# Altium PCB TinyHawk_PCB.PcbDoc (part 6 of 6)
Units mil, origin at the board's own origin, x right, y up, seen from the top; angles counter-clockwise.
Board outline 3399.79 x 3628.14 mil, 6 copper layers (Top Layer, Ground, Signal Layer 2, Signal Layer 1, Power, Bottom Layer), stack 58.153 mil thick; 370 components, 355 nets, 1615 pads, 674 vias.
Unrouted connection lines stored in the file: 1.
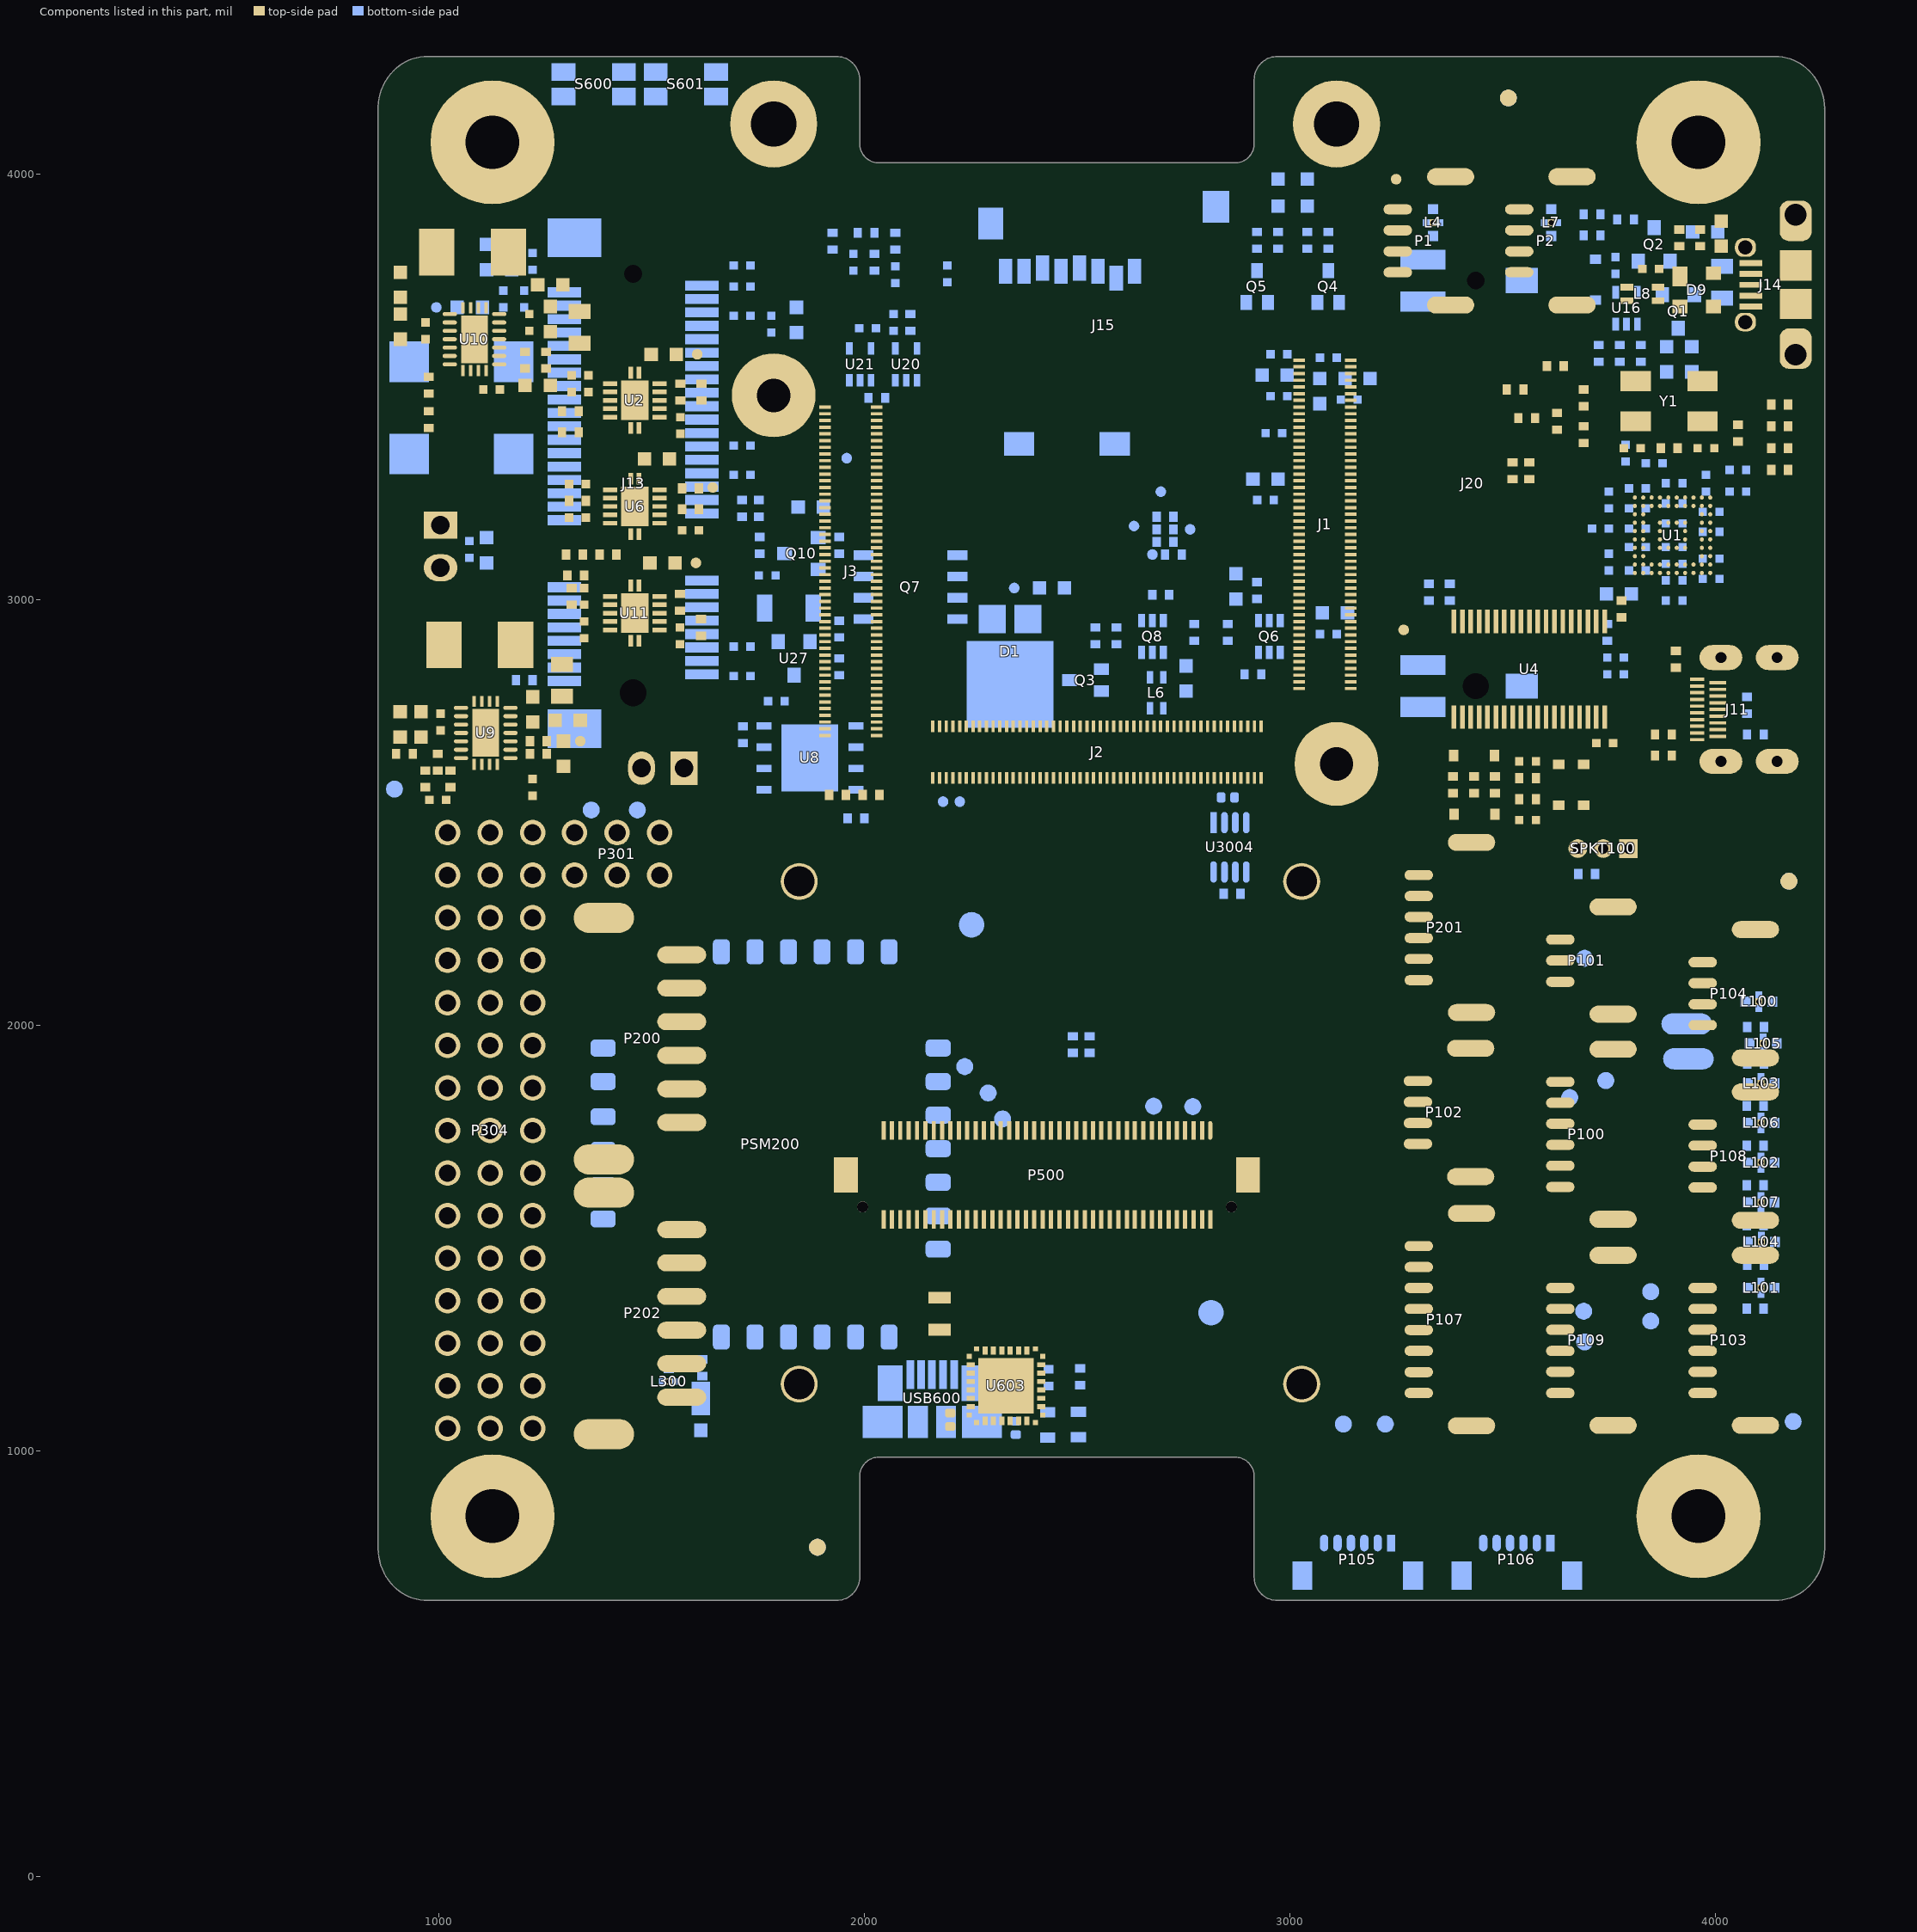
[diagram p10: the components of this part, seen from the top]

## Silkscreen, mask and mechanical layers (free items; w line width, h text height)
Top Overlay:
  lines w3.94: 3194.88,1157 3194.88,2338
  lines w10: 1679.13,1138 1679.13,2358 ; 3515.75,1046.06 3517.72,1046.06
  text "rx" at 1489,2485 h19.68
  text "s" at 1047.24,2484.25 h19.68
  text "+" at 1149.61,2484.25 h19.68
  text "tx" at 1292,2482 h19.68
  text "+ - s" at 3669.29,2472.44 h27.56
  text "-" at 1604,2442 h27.56
  text "-" at 1267.72,2440.94 h27.56
  text "USB" at 3287.4,2377.95 h27.56 r90
  text "Spkt" at 3598.43,2350.39 h27.56 r90
  text "s" at 1293,2340 h27.56
  text "+" at 3236.22,2338.58 h27.56
  text "-" at 1605,2337 h27.56
  text "-" at 1263.78,2334.65 h27.56
  text "S.Bus out" at 1342.52,2291.34 h27.56
  text "P" at 3240.16,2287.4 h27.56
  text "M" at 3240.16,2240.16 h27.56
  text "-" at 1263.78,2234.65 h27.56
  text "ASI" at 3618.62,2229.02 h27.56 r90
  text "1" at 1598.43,2224.41 h27.56
  text "-" at 3236.22,2192.91 h27.56
  text "+" at 3566.93,2188.98 h27.56
  text "CAN" at 3954.72,2173.19 h27.56 r90
  text "Bz" at 3208.66,2149.61 h27.56
  text "+" at 3895.67,2140.59 h27.56
  text "ADC" at 3531.5,2139.22 h27.56
  text "-" at 1263.78,2134.65 h27.56
  text "-" at 1598.43,2114.17 h27.56
  text "-" at 3561.02,2089.85 h27.56
  text "H 2" at 3866.14,2083.66 h27.56
  text "Led" at 3216.54,2055.12 h27.56
  text "L 2" at 3866.14,2036.42 h27.56
  text "-" at 1263.78,2034.65 h27.56
  text "V" at 1641.73,1996.06 h27.56
  text "-" at 3895.67,1987.05 h27.56
  text "-" at 1263.78,1934.65 h27.56
  text "I" at 1641.73,1917.32 h27.56
  text "I2C2" at 3291.34,1901.57 h27.56 r90
  text "Telem 1" at 3598.43,1877.95 h27.56 r90
  text "+" at 3228.35,1866.14 h27.56
  text "+" at 3535.43,1866.14 h27.56
  text "-" at 1263.78,1834.65 h27.56
  text "TX" at 3527.56,1814.96 h27.56
  text "SCL" at 3206.69,1811.02 h27.56
  text "+" at 1598.43,1803.15 h27.56
  text "CAN" at 3954.72,1798.19 h27.56 r90
  text "RX" at 3527.56,1767.72 h27.56
  text "+" at 3895.67,1765.59 h27.56
  text "SDA" at 3206.69,1759.84 h27.56
  text "-" at 1263.78,1734.65 h27.56
  text "CTS" at 3527.56,1720.47 h27.56
  text "-" at 3228.35,1712.6 h27.56
  text "H 1" at 3866.14,1708.66 h27.56
  text "RTS" at 3531.5,1669.29 h27.56
  text "L 1" at 3866.14,1661.42 h27.56
  text "-" at 1263.78,1634.65 h27.56
  text "-" at 3539.37,1618.11 h27.56
  text "-" at 3895.67,1612.05 h27.56
  text "2" at 1598.43,1578.74 h27.56
  text "-" at 1263.78,1534.65 h27.56
  text "GPS 1" at 3285.95,1510.83 h27.56 r90
  text "Type-A Connector" at 2035.43,1476.38 h27.56
  text "+" at 3224.41,1472.44 h27.56
  text "-" at 1598.43,1468.5 h27.56
  text "-" at 1263.78,1434.65 h27.56
  text "TX" at 3194.88,1421.26 h27.56
  text "GPS 2" at 3620.08,1407.8 h27.56 r90
  text "Telem 2" at 3948.82,1397.64 h27.56 r90
  text "+" at 3870.08,1370.73 h27.56
  text "RX" at 3194.8,1366.14 h27.56
  text "+" at 3547.24,1362.2 h27.56
  text "V" at 1641.73,1350.39 h27.56
  text "-" at 1263.78,1334.65 h27.56
  text "TX" at 3862.2,1319.55 h27.56
  text "TX" at 3529.53,1318.9 h27.56
  text "SCL" at 3194.88,1314.96 h27.56
  text "I" at 1641.73,1271.65 h27.56
  text "RX" at 3533.39,1271.65 h27.56
  text "RX" at 3862.2,1272.31 h27.56
  text "SDA" at 3194.88,1267.72 h27.56
  text "-" at 1263.78,1234.65 h27.56
  text "CTS" at 3862.2,1225.06 h27.56
  text "SFT" at 3194.88,1220.47 h27.56
  text "SCL" at 3533.46,1220.47 h27.56
  text "RTS" at 3866.14,1173.88 h27.56
  text "LED" at 3194.88,1173.23 h27.56
  text "SDA" at 3533.46,1169.29 h27.56
  text "+" at 1598.43,1157.48 h27.56
  text "-" at 1263.78,1134.65 h27.56
  text "-" at 3874.02,1122.7 h27.56
  text "-" at 3228.35,1122.05 h27.56
  text "-" at 3551.18,1114.17 h27.56
  text "I2C2" at 3285.95,1038.39 h27.56 r90
  text "I2C1" at 3618.62,1038.17 h27.56 r90
  text "-" at 1263.78,1034.65 h27.56
Bottom Overlay:
  circle w3.94: c1847,2338 r59.06
  circle w3.94: c3028,1157 r59.06
  text "GND" at 3824.8,3419.29 h39.37 r270
  text "to" at 4175.2,3112.2 h39.37
  text "+1V8" at 3608.27,3025.59 h39.37 r270
Mechanical 16:
  drawing of 196 lines, arcs and shapes, not listed
  text "Layer" at 7162.63,4734.72 h60
  text "Name" at 7413.63,4734.72 h60
  text "Material" at 7898.79,4734.72 h60
  text "Thickness" at 8334.79,4734.72 h60
  text "Constant" at 8692.95,4734.72 h60
  text "Board Layer Stack" at 9024.48,4734.72 h60
  text "1" at 7162.63,4614.72 h60
  text "Top Overlay" at 7413.63,4614.72 h60
  text "2" at 7162.63,4494.72 h60
  text "Top Solder" at 7413.63,4494.72 h60
  text "Solder Resist" at 7898.79,4494.72 h60
  text "0.010mm" at 8334.79,4494.72 h60
  text "3.5" at 8692.95,4494.72 h60
  text "3" at 7162.63,4374.72 h60
  text "Top Layer" at 7413.63,4374.72 h60
  text "Copper" at 7898.79,4374.72 h60
  text "0.036mm" at 8334.79,4374.72 h60
  text "4" at 7162.63,4254.72 h60
  text "Dielectric 1" at 7413.63,4254.72 h60
  text "FR-4" at 7898.79,4254.72 h60
  text "0.500mm" at 8334.79,4254.72 h60
  text "4.8" at 8692.95,4254.72 h60
  text "5" at 7162.63,4134.72 h60
  text "Signal Layer 2" at 7413.63,4134.72 h60
  text "Copper" at 7898.79,4134.72 h60
  text "0.036mm" at 8334.79,4134.72 h60
  text "6" at 7162.63,4014.72 h60
  text "Dielectric 6" at 7413.63,4014.72 h60
  text "0.500mm" at 8334.79,4014.72 h60
  text "4.2" at 8692.95,4014.72 h60
  text "7" at 7162.63,3894.72 h60
  text "Signal Layer 1" at 7413.63,3894.72 h60
  text "Copper" at 7898.79,3894.72 h60
  text "0.036mm" at 8334.79,3894.72 h60
  text "8" at 7162.63,3774.72 h60
  text "Dielectric 4" at 7413.63,3774.72 h60
  text "0.500mm" at 8334.79,3774.72 h60
  text "4.2" at 8692.95,3774.72 h60
  text "9" at 7162.63,3654.72 h60
  text "Bottom Layer" at 7413.63,3654.72 h60
  text "Copper" at 7898.79,3654.72 h60
  text "0.036mm" at 8334.79,3654.72 h60
  text "10" at 7162.63,3534.72 h60
  text "Bottom Solder" at 7413.63,3534.72 h60
  text "Solder Resist" at 7898.79,3534.72 h60
  text "0.010mm" at 8334.79,3534.72 h60
  text "3.5" at 8692.95,3534.72 h60
  text "11" at 7162.63,3414.72 h60
  text "Bottom Overlay" at 7413.63,3414.72 h60

## Text inside footprints (layer, text, board x,y; h text height)
J1: Top Overlay "1" at 3164.96,3586.61 h40
J2: Top Overlay "1" at 2137.4,2724.41 h40 r90
J3: Top Overlay "1" at 2050.79,3476.38 h40
J8: Top Overlay "1" at 944.88,3257.87 h40 r270
J11: Top Overlay "KEEP" at 4106.3,2683.07 h31.5 r90; Top Overlay "OUT" at 4165.35,2698.82 h31.5 r90
J13: Bottom Overlay "1" at 1236.22,2826.77 h40
J15: Bottom Overlay "KEEP OUT" at 2335.63,3542.32 h39.37 r180
JP1: Top Overlay "1" at 1651.18,2584.65 h40
P500: Top Overlay "Male" at 2269.16,1607.84 h77.5
PSM200: Bottom Overlay "3DR Part# PCA_0007" at 1951.5,1801.65 h27.56 r45; Bottom Overlay "IN_5V_A" at 1344.8,1942.6 h27.56 r90; Bottom Overlay "IN_5V_B" at 1344.8,1789.06 h27.56 r90; Bottom Overlay "IN_5V_USB" at 1344.8,1635.51 h27.56 r90; Bottom Overlay "3v3 SPEK" at 1636.14,2182.76 h27.56; Bottom Overlay "5V RX" at 1848.74,2210.32 h27.56; Bottom Overlay "NC" at 1754.25,2210.05 h27.56; Bottom Overlay "5v P" at 1923.54,2210.32 h27.56; Bottom Overlay "5V HP" at 2010.16,2210.32 h27.56; Bottom Overlay "GND" at 2081.02,1218.19 h27.56; Bottom Overlay "Servo_VIN" at 1636.14,1241.81 h27.56; Bottom Overlay "U_OK" at 1770,1218.19 h27.56; Bottom Overlay "B_OK" at 1848.74,1218.19 h27.56; Bottom Overlay "A_OK" at 1927.48,1218.19 h27.56; Bottom Overlay "FMU_5V" at 2018.03,1218.19 h27.56; Bottom Overlay "GND" at 2081.02,2206.38 h27.56; Bottom Overlay "BUZZ" at 2226.69,1497.72 h27.56 r90; Bottom Overlay "HP OC" at 2226.69,1989.84 h27.56 r90; Bottom Overlay "P OC" at 2226.69,1887.48 h27.56 r90; Bottom Overlay "S EN" at 2226.69,1808.74 h27.56 r90; Bottom Overlay "P EN" at 2226.69,1730 h27.56 r90; Bottom Overlay "VBUS" at 2226.69,1659.13 h27.56 r90; Bottom Overlay "ALM" at 2226.69,1572.52 h27.56 r90; Bottom Overlay "POWER IN" at 1520,1765.04 h27.56 r90; Bottom Overlay "IO and power PixHawk2" at 1920,1833.15 h27.56 r45
Q7: Bottom Overlay "1" at 2049.21,2946.85 h40 r270